# KiCad board C816Classic.kicad_pcb (continued)
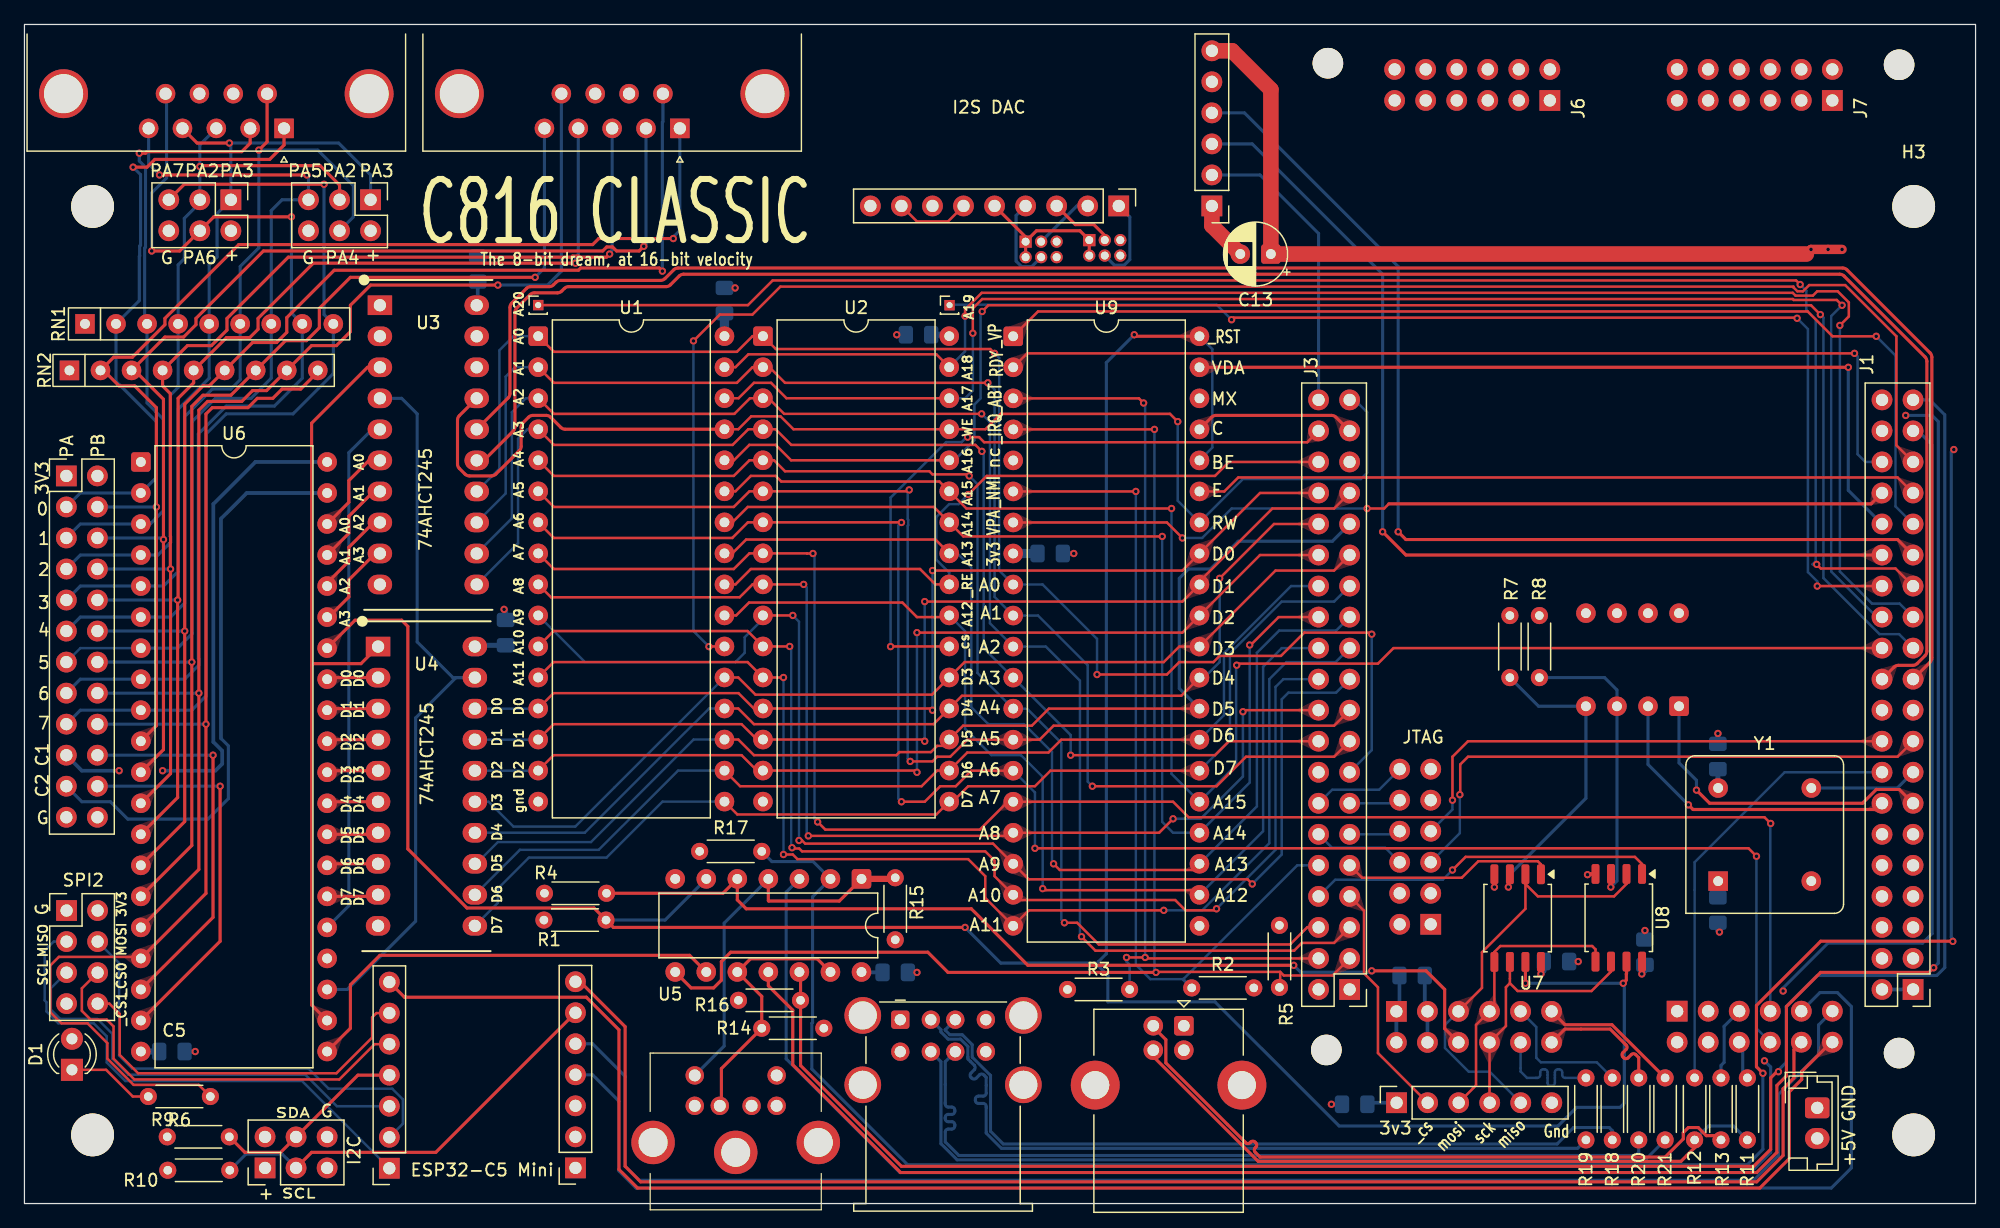
[diagram p0: board, top side]
## Routing (per net, layer and track width the routed paths; a pad name or vN(x,y) marks a point on that pad's centre or on a via; arc(x,y) is an arc through that point) (continued)
D7.: length 88.8
  Top w0.2: U9.26 83.95,35.43 82.68,34.16 77.22,34.16 75.96,32.9 U2.17 74.61,31.85 58.33,31.85 U1.17
  Bottom w0.2: U4.11 38.73,24.62 38.73,25.78 41.27,28.32 47.63,28.32 52.21,32.9 U1.17
  Bottom w0.203: U9.26 98.63,37.93 98.63,45.04 102.87,49.28 107.15,49.28 J3.27
E.: length 59.4
  Top w0.203: J1.33 153.26,59.44 99.31,59.44 98.17,58.29 U9.35
EPS_CTS: length 130.7
  Bottom w0.254: J20.4 46.48,10.54 48.64,8.38 48.64,2.67 50.04,1.27 147.83,1.27 149.48,2.92 149.48,16.13 148.34,17.27 146.91,17.27 J8.9
ESP_RTS: length 121.9
  Bottom w0.254: J20.5 46.48,13.08 49.15,10.41 49.15,3.05 50.29,1.91 141.48,1.91 143.51,3.94 143.51,8.93 146.79,12.21 146.79,14.62 J8.11
ESP_RX: length 123.1
  Top w0.254: J8.10 144.78,12.61 144.78,10.29 143.89,9.4 143.89,3.94 141.73,1.78 50.42,1.78 49.15,3.05 49.15,14.48 45.47,18.16 J20.7
ESP_TX: length 140.3
  Top w0.254: J16.7 31.09,16.89 45.97,16.89 48.64,14.22 48.64,2.79 50.17,1.27 141.99,1.27 144.4,3.68 144.4,9.14 145.42,10.16 145.42,10.8 147.83,13.21 J8.12
I2S_BCK: length 24.3
  Bottom w0.254: J3.40 105.89,79.41 101.09,84.2 J9.2
I2S_DIN: length 81.1
  Top w0.254: v1(111.13,54.99) 111.13,54.99 113.03,53.09 J1.30
  Bottom w0.254: v1(111.13,54.99) 111.13,76.07 100.46,86.74 J9.3
I2S_LRCK: length 85.1
  Top w0.254: v1(112.39,54.99) 113.03,54.36 153.26,54.36 J1.29
  Bottom w0.254: J9.4 99.82,89.28 112.39,76.71 v1(112.39,54.99)
MISO: length 35.7
  Top w0.203: J2.5 119.25,17.65 119.25,20.57 122.81,24.13 U7.2 122.81,26.16 123.83,25.15 130.06,25.15 131.08,26.17 U8.2
  Bottom w0.203: J14.5 119.89,10.8 118.17,10.8 116.23,12.73 116.23,14.63 J2.5
MOSI: length 23.1
  Top w0.203: 117.35,8.25 118.77,9.68 118.77,14.63 J2.7 120.27,16.13 U7.5 120.27,20.59 120.76,21.08 128.27,21.08 128.54,20.81 U8.5
PHI2.: length 13.2
  Top w0.254: U9.37 97.14,64.37 arc(97.3,64.48) 97.49,64.52 106.95,64.52 arc(107.14,64.48) 107.3,64.37 J3.37
PS2CLKIN: length 181.3
  Top w0.254: v1(157.78,21.46) 157.76,21.48 146.97,21.48 141.71,16.22 141.71,11.19 v1(142.24,10.67)
  In2.Cu w0.254: J1.38 153.37,61.87 157.5,61.87 157.65,61.72
  Bottom w0.254: R17.2 61.16,28 64.53,28 U5.2 64.49,25.12 64.49,14.82 64.43,14.76 64.43,11.01 72.26,3.18 140.97,3.18 142.24,4.45 v1(142.24,10.67) ; v1(157.86,61.72) 157.65,61.51 157.65,21.8 157.78,21.67 v1(157.78,21.46)
PS2CLKOUT: length 171.7
  In2.Cu w0.254: v1(142.37,11.68) 141.71,12.34 141.71,16.24 143,17.52 143.77,17.52
  Bottom w0.254: v1(143.89,17.4) 143.89,17.65 147.56,21.31 155.3,21.31 156.08,22.1 156.08,62.1 154.94,63.25 J1.37 ; v1(142.37,11.68) 142.88,11.18 142.88,4.19 141.22,2.54 71.63,2.54 62.33,11.84 62.33,25.5 U5.3
PS2DATIN: length 166.1
  Top w0.254: 143.51,10.92 142.88,10.29 142.88,4.45 141.48,3.05 71.76,3.05 63.5,11.3 R16.1 63.5,18.86 U5.12
  Bottom w0.254: J1.39 155.89,65.79 157.12,64.56 157.12,19.33 156.46,18.67 146.69,18.67 144.14,16.13 144.14,11.56 143.45,10.86 v1(143.51,10.8)
PS2DATOUT: length 168.8
  Top w0.254: U5.11 60.87,17.83 62.86,15.83 62.86,11.36 71.69,2.54 141.73,2.54 143.38,4.19 143.38,9.67 144.17,10.45 144.17,16.13 146.96,18.92 155.83,18.92 v1(156.21,19.3)
  In2.Cu w0.254: 153.67,64.52 153.26,64.52 J1.40
  Bottom w0.254: v1(156.21,19.3) 156.59,19.69 156.59,64.01 156.08,64.52 v1(153.92,64.52)
RDY.: length 79.9
  Top w0.203: U9.2 82.04,69.6 v1(149.73,69.6)
  Bottom w0.203: v1(149.73,69.6) 149.99,69.34 149.99,61.34 150.62,60.71 J1.36
RW.: length 101.8
  Top w0.203: U1.29 58.41,63.38 59.46,64.44 61.86,64.44 62.92,63.38 U2.29 78.62,63.38 79.88,64.64 93.73,64.64 v1(94.36,64.01)
  Top w0.254: U1.29 44.24,63.38 arc(44.05,63.42) 43.89,63.53 43.05,64.37 arc(42.89,64.48) 42.7,64.52 41.6,64.52 arc(41.41,64.48) 41.25,64.37 40.79,63.91 arc(40.68,63.75) 40.64,63.55 40.64,61.99 arc(40.6,61.8) 40.49,61.64 38.57,59.71 arc(38.4,59.6) 38.21,59.56 36.4,59.56 arc(36.21,59.6) 36.05,59.71 35.58,60.18 arc(35.47,60.34) 35.43,60.53 35.43,64.14 arc(35.47,64.33) 35.58,64.49 U3.17
  Bottom w0.203: J3.39 108.84,65.79 109.86,64.77 109.86,59.82 109.35,59.31 99.7,59.31 U9.34 94.36,57.53 v1(94.36,64.01)
SCK: length 22.2
  Top w0.203: 121.54,18.03 122.17,17.4 128.22,17.4 129.81,18.99 129.81,19.8 ; 121.54,18.03 U7.6 ; 121.54,18.03 121.21,17.71 121.21,14.53 J2.8 119.87,8.27 119.89,8.25
SW1: length 26.7
  Top w0.254: 136.94,33.85 v1(136.8,33.85) 137.88,32.77 150.39,32.77 151.52,33.9 153.4,33.9 J1.13
  Bottom w0.254: SW1.1 135.38,36.07 136.8,34.65 v1(136.8,33.85)
SW2: length 25.7
  Top w0.203: J1.14 151.99,32.77
  Top w0.254: J1.14 151.48,32.26 136.52,32.26 v1(136.14,32.64)
  Bottom w0.254: v1(136.14,32.64) 132.84,35.94 SW1.2
UD1N: length 11.2
  Bottom w0.203: J2.10 122.41,10.81 122.94,10.29 123.78,10.29 arc(123.95,10.36) 124.02,10.53 124.02,10.75 arc(124.09,10.92) 124.26,10.99 124.38,10.99 arc(124.55,10.92) 124.62,10.75 124.62,9.88 arc(124.69,9.71) 124.86,9.64 124.98,9.64 arc(125.15,9.71) 125.22,9.88 125.22,10.75 arc(125.29,10.92) 125.46,10.99 125.58,10.99 arc(125.75,10.92) 125.82,10.75 125.82,10.53 arc(125.89,10.36) 126.06,10.29 R19.1
UD1P: length 11.2
  Bottom w0.203: J2.9 123.7,14.45 123.7,11.94 124.08,11.56 128.65,11.56 R18.1
UD2N: length 11.5
  Top w0.254: J2.11 126.05,14.64 129.89,14.64 R21.1
UD2P: length 11.5
  Top w0.254: R20.1 132.08,11.95 131.82,12.2 arc(131.65,12.27) 131.48,12.2 131.21,11.93 arc(131.04,11.86) 130.87,11.93 130.78,12.01 arc(130.71,12.18) 130.78,12.35 131.06,12.63 arc(131.13,12.8) 131.06,12.97 129.74,14.29 126.05,14.29 J2.12
UD3_N: length 6.1
  Bottom w0.254: J8.5 139.06,14.51 139.06,11.56 138.81,11.3 R13.1
UD3_P: length 3.2
  Bottom w0.254: R11.1 140.59,10.67 140.59,12.92 J8.6
USB3_CON: length 36
  Bottom w0.2: R12.1 136.65,25.67
  Bottom w0.203: 136.65,25.67 136.65,27.94 144.02,35.31 J1.16
VDA.: length 67.1
  Top w0.254: U9.39 v1(149.23,68.45)
  Bottom w0.254: v1(149.23,68.45) 149.23,58.39 J1.32
VPA.: length 73.1
  Top w0.203: 111.63,57.28 111.25,56.9 v1(109.86,56.9) ; v1(94.74,54.48) 93.47,55.75 U9.7
  Top w0.254: 111.63,57.28 151.1,57.28 J1.34
  Bottom w0.203: v1(94.74,54.48) 96.36,54.48 98.77,56.9 v1(109.86,56.9)
Net-(D1-K): length 7.2
  Top w0.203: D1.1 6.68,10.95 8.86,8.76 R6.2

## Copper pours and planes (outline as drawn; the poured copper is in the pictures)
+3V3 on In2.Cu: 0.64,95.89 158.62,95.89 158.62,1.4 1.14,1.4
GND on Bottom: 0.64,95.89 158.62,95.42 158.62,0.91 0.52,1.1
GND on In1.Cu: 0.64,95.89 158.75,95.65 158.75,1.4 1.14,1.4 0.64,95.63

Small or netless copper shapes (teardrops, artwork), in the pictures only: 106 on Top, 91 on Bottom, 5 on In2.Cu

## Text on the board
B.Silkscreen: _RST | CLKVIA | LRCK | CLKIN | _RAM2 | _CSVIA | FPGA FLASH/DEBUG | FLASH_WP | FLASH2_WP | RS1 | RS0 | RS2 | RS3 | VD0 | VD1 | VD2 | VD3 | VD4 | VD5 | VD6 | VD7 | _RESET | A1 | D0 | D1 | D2 | D3 | D4 | D5 | D6 | D7 | A0 | A2 | A3 | A4 | A5 | A6 | A7 | A8 | A9 | A10 | A11 | CLK | _WE | _RE | A18 | A17 | A16 | A15 | A14 | A13 | A12 | DAT | PS/2 | A19 | _RAM1 | nc | _VP | RDY | VPA | _ABT | _IRQ | _NMI | MX | PHI2 | VDA | BE | E | R/_W | GND | BCK | A20 | DIN | PORT A | PORT B | JTAG | 480p | 720p | 4:3 | 16:9 | Designed by Robin Jacobs / 5/2026 / https://github.com/rjacobs1969/C816
F.Silkscreen: MISO | SCL | 3V3 | MOSI | _CS0 | _CS1 | A0 | A1 | A2 | A3 | D0 | D1 | D2 | D3 | D4 | D5 | D6 | D7 | A20 | A4 | A5 | A6 | A7 | A8 | A9 | A10 | A11 | gnd | _cs | A18 | A17 | _WE | A16 | A15 | A14 | A13 | _RE | A12 | A19 | _RST | Gnd | VCC | nes1 | PB0 PB1 PB2 | PA0 PA1 PA2 | LA | CL | PA3 PA4 PA5 | PB3 | PB4 | PB5 | PB6 | PA6 PA7 CA1 CA2 | PB7 | CB1 | CB2 | GND | mosi | sck | miso | _NMI | VPA | 3v3 | _VP | _ABT | _IRQ | RDY | The 8-bit dream, at 16-bit velocity | SDA | 1 | 2 | 0 | G | 3 | 4 | 5 | 6 | 7 | SPI2 | PA7 | C5 | PA6 | PA2 | PA3 | + | PA5 | PA4 | ESP32-C5 Mini | I2S DAC | VDA | MX | C | BE | E | RW | JTAG | PS/2 | USB | nes4 | C1 | C2 | PA | PB | I2C | 74AHCT245 | nc | +5V | wp | cd | clk | _ss | C816 CLASSIC
